# KiCad board SmartCubePanel.kicad_pcb
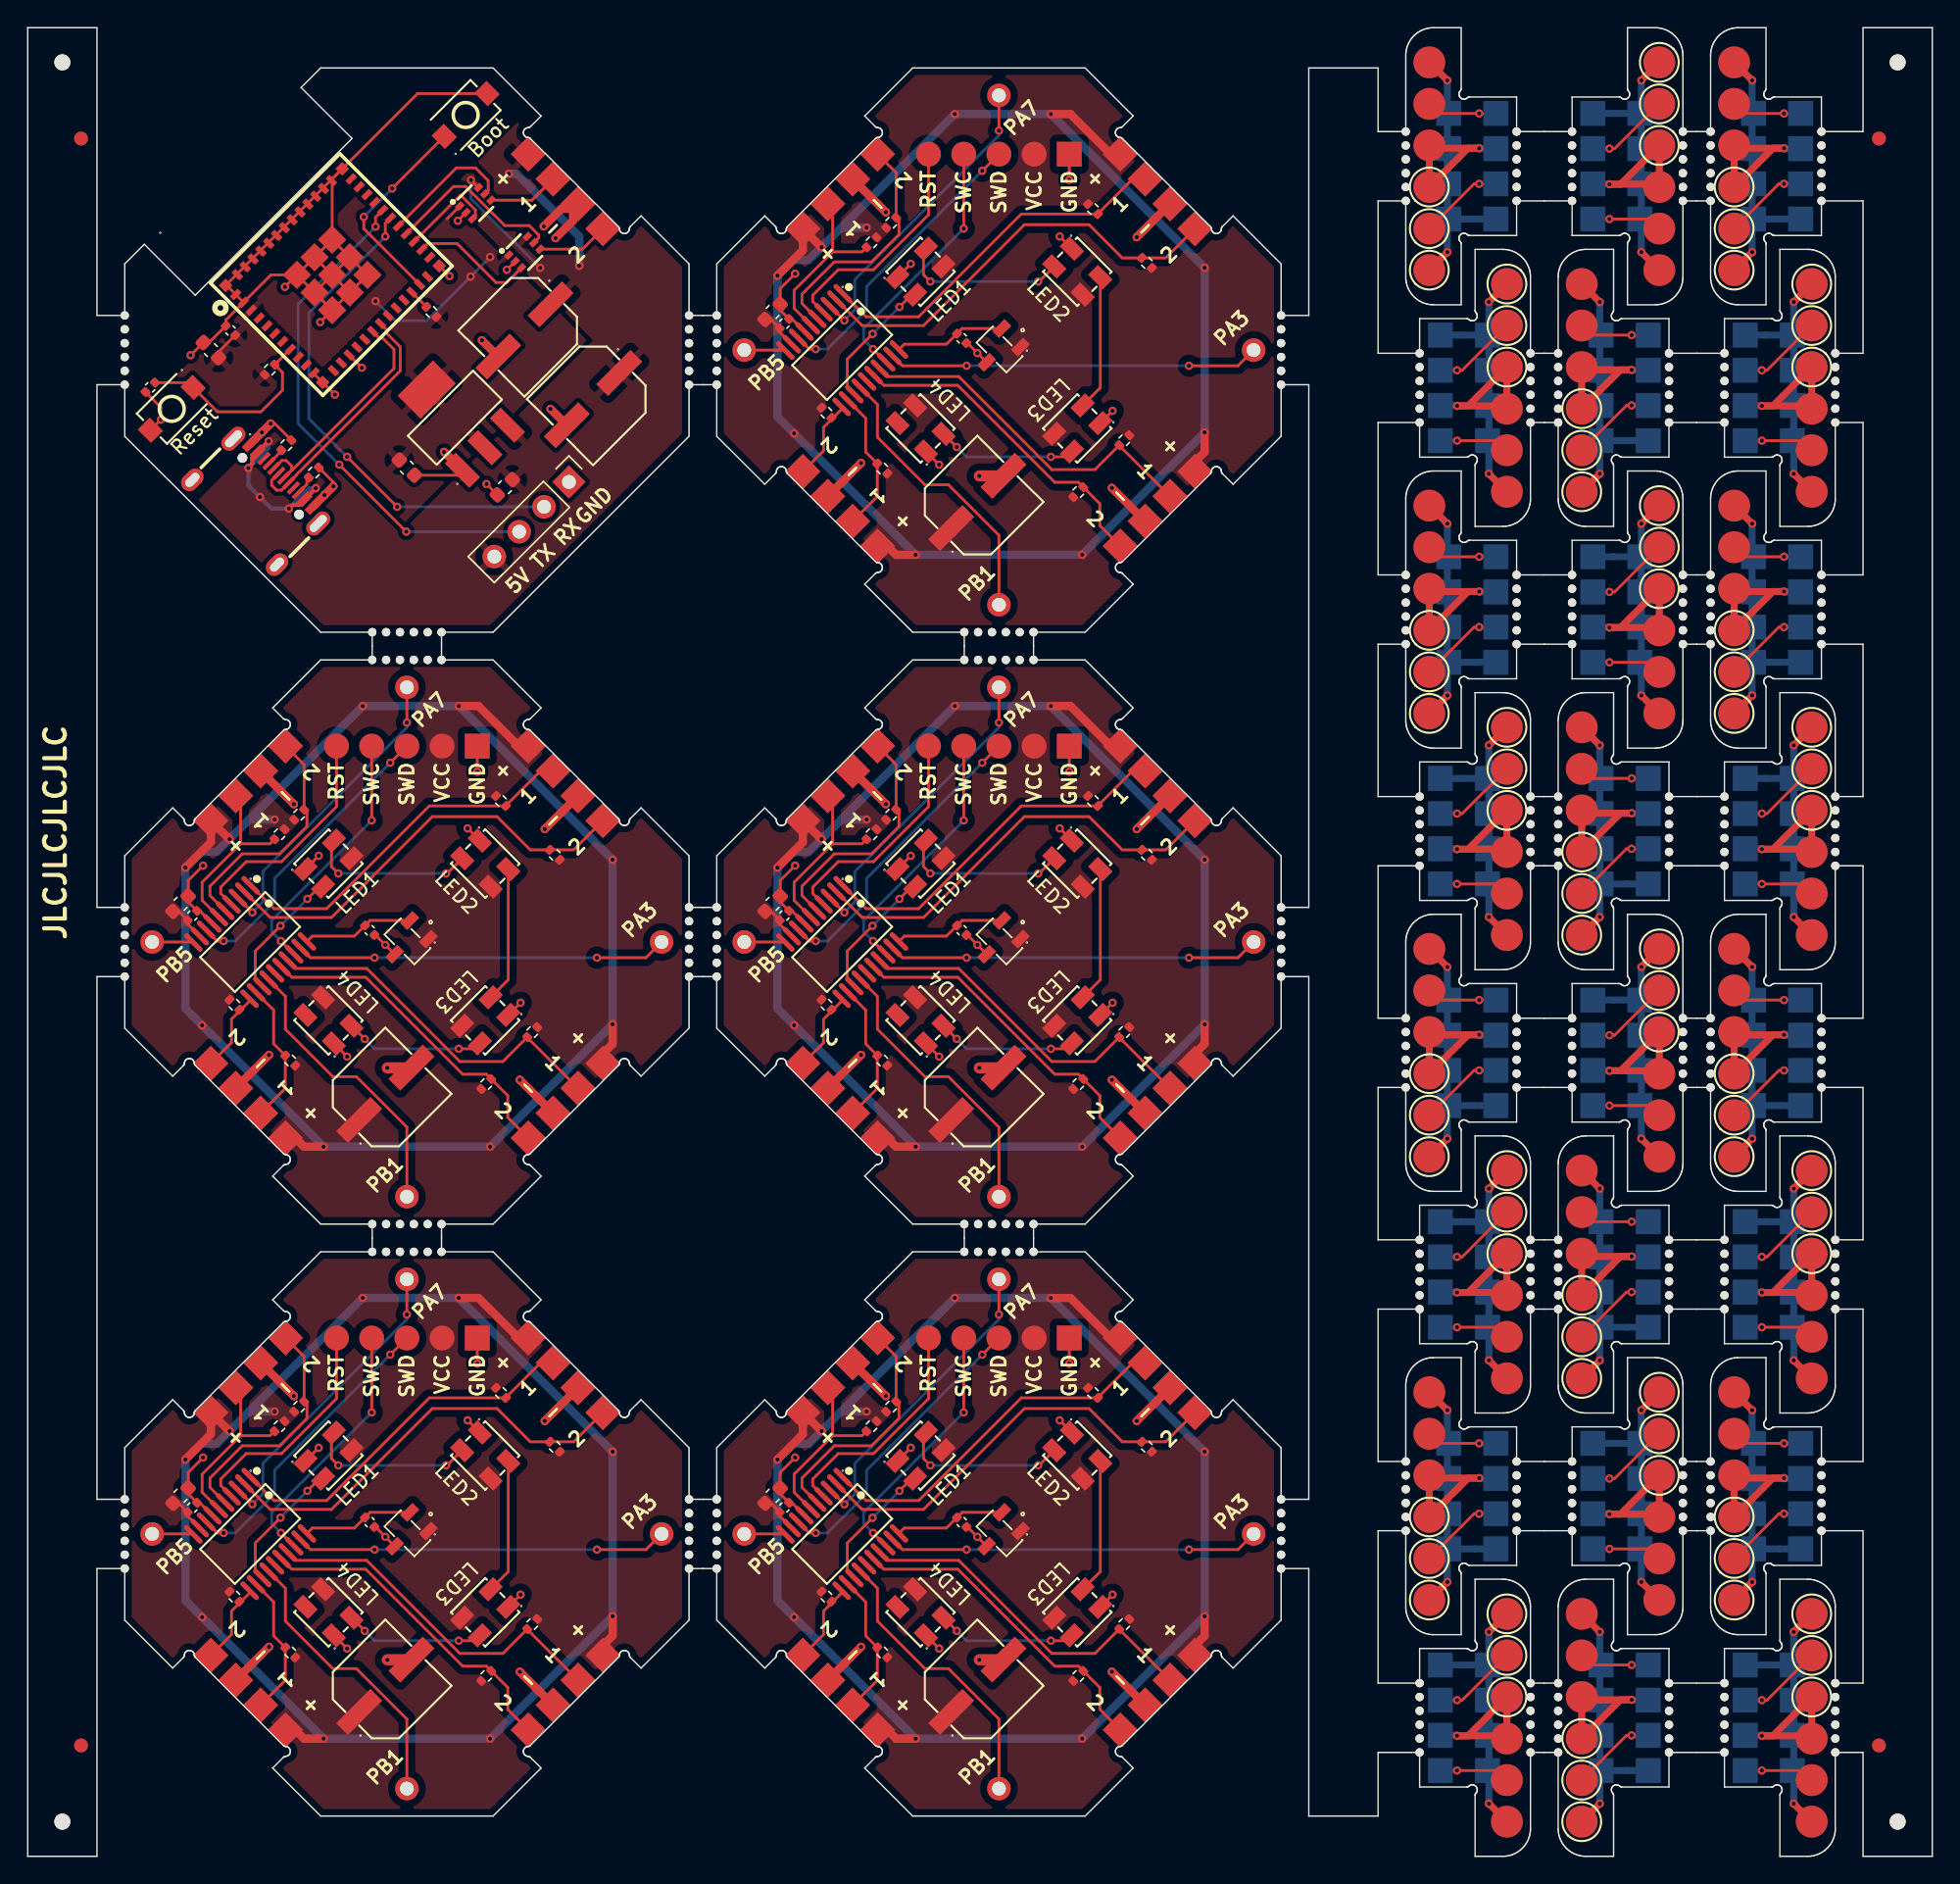
[diagram p0: board, top side]
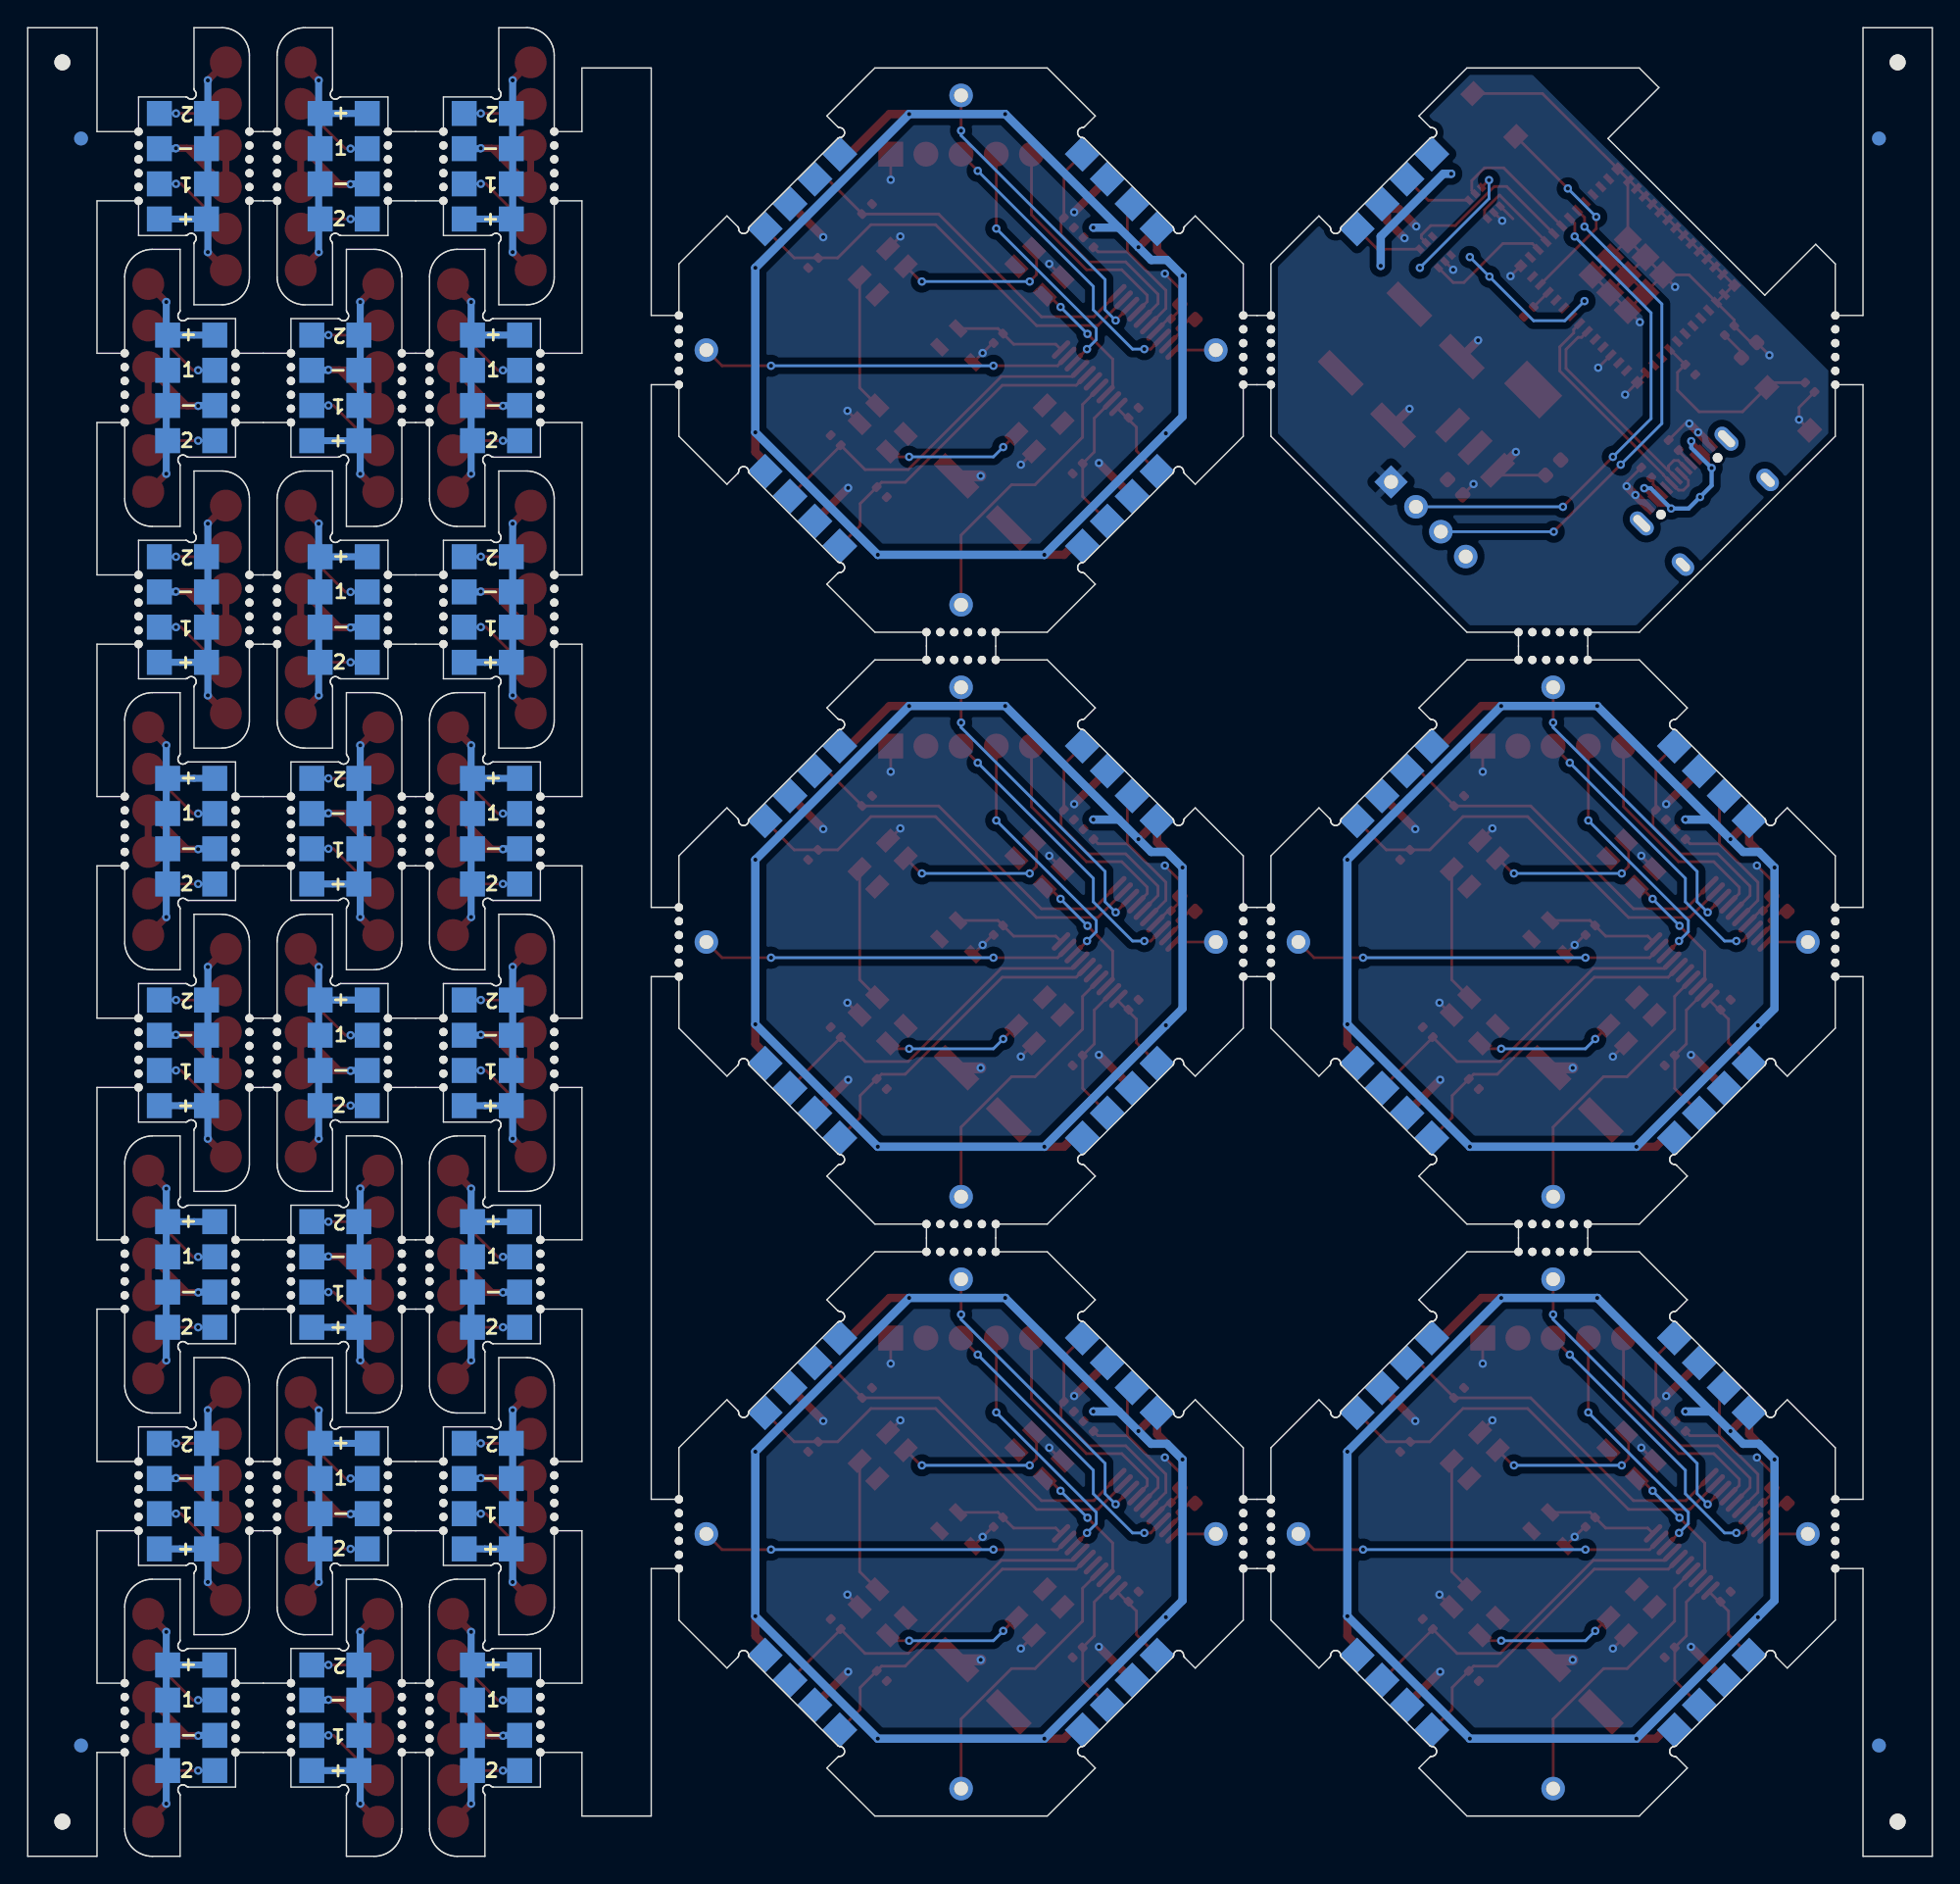
[diagram p1: board, bottom side, seen from below]

Outline 137.46 x 132 mm; copper layers: Top, Bottom. Coordinates in mm from the lower left corner of the outline.
Stack: Top 0.035mm / dielectric 1.51mm FR4 er 4.5 / Bottom 0.035mm

## Placement (name value [footprint] x y rotation side)
KiKit_FID_B_1  -  [Fiducial]  3.85 124 0 bottom
KiKit_FID_B_2  -  [Fiducial]  133.61 124 0 bottom
KiKit_FID_B_3  -  [Fiducial]  3.85 8 0 bottom
KiKit_FID_B_4  -  [Fiducial]  133.61 8 0 bottom
KiKit_FID_T_1  -  [Fiducial]  3.85 124 0 top
KiKit_FID_T_2  -  [Fiducial]  133.61 124 0 top
KiKit_FID_T_3  -  [Fiducial]  3.85 8 0 top
KiKit_FID_T_4  -  [Fiducial]  133.61 8 0 top
KiKit_MB_1_1  -  [NPTH]  29.87 88.36 0 top
KiKit_MB_1_2  -  [NPTH]  28.87 88.36 0 top
KiKit_MB_1_3  -  [NPTH]  27.87 88.36 0 top
KiKit_MB_1_4  -  [NPTH]  26.87 88.36 0 top
KiKit_MB_1_5  -  [NPTH]  25.87 88.36 0 top
KiKit_MB_1_6  -  [NPTH]  24.87 88.36 0 top
KiKit_MB_2_1  -  [NPTH]  47.73 111.23 0 top
KiKit_MB_2_2  -  [NPTH]  47.73 110.23 0 top
KiKit_MB_2_3  -  [NPTH]  47.73 109.23 0 top
KiKit_MB_2_4  -  [NPTH]  47.73 108.23 0 top
KiKit_MB_2_5  -  [NPTH]  47.73 107.23 0 top
KiKit_MB_2_6  -  [NPTH]  47.73 106.23 0 top
KiKit_MB_3_1  -  [NPTH]  7 106.23 0 top
KiKit_MB_3_2  -  [NPTH]  7 107.23 0 top
KiKit_MB_3_3  -  [NPTH]  7 108.23 0 top
KiKit_MB_3_4  -  [NPTH]  7 109.23 0 top
KiKit_MB_3_5  -  [NPTH]  7 110.23 0 top
KiKit_MB_3_6  -  [NPTH]  7 111.23 0 top
KiKit_MB_4_1  -  [NPTH]  24.87 86.36 0 top
KiKit_MB_4_2  -  [NPTH]  25.87 86.36 0 top
KiKit_MB_4_3  -  [NPTH]  26.87 86.36 0 top
KiKit_MB_4_4  -  [NPTH]  27.87 86.36 0 top
KiKit_MB_4_5  -  [NPTH]  28.87 86.36 0 top
KiKit_MB_4_6  -  [NPTH]  29.87 86.36 0 top
KiKit_MB_5_1  -  [NPTH]  47.73 68.5 0 top
KiKit_MB_5_2  -  [NPTH]  47.73 67.5 0 top
KiKit_MB_5_3  -  [NPTH]  47.73 66.5 0 top
KiKit_MB_5_4  -  [NPTH]  47.73 65.5 0 top
KiKit_MB_5_5  -  [NPTH]  47.73 64.5 0 top
KiKit_MB_5_6  -  [NPTH]  47.73 63.5 0 top
KiKit_MB_6_1  -  [NPTH]  29.87 45.64 0 top
KiKit_MB_6_2  -  [NPTH]  28.87 45.64 0 top
KiKit_MB_6_3  -  [NPTH]  27.87 45.64 0 top
KiKit_MB_6_4  -  [NPTH]  26.87 45.64 0 top
KiKit_MB_6_5  -  [NPTH]  25.87 45.64 0 top
KiKit_MB_6_6  -  [NPTH]  24.87 45.64 0 top
KiKit_MB_7_1  -  [NPTH]  7 63.5 0 top
KiKit_MB_7_2  -  [NPTH]  7 64.5 0 top
KiKit_MB_7_3  -  [NPTH]  7 65.5 0 top
KiKit_MB_7_4  -  [NPTH]  7 66.5 0 top
KiKit_MB_7_5  -  [NPTH]  7 67.5 0 top
KiKit_MB_7_6  -  [NPTH]  7 68.5 0 top
KiKit_MB_8_1  -  [NPTH]  24.87 43.64 0 top
KiKit_MB_8_2  -  [NPTH]  25.87 43.64 0 top
KiKit_MB_8_3  -  [NPTH]  26.87 43.64 0 top
KiKit_MB_8_4  -  [NPTH]  27.87 43.64 0 top
KiKit_MB_8_5  -  [NPTH]  28.87 43.64 0 top
KiKit_MB_8_6  -  [NPTH]  29.87 43.64 0 top
KiKit_MB_9_1  -  [NPTH]  47.73 25.77 0 top
KiKit_MB_9_2  -  [NPTH]  47.73 24.77 0 top
KiKit_MB_9_3  -  [NPTH]  47.73 23.77 0 top
KiKit_MB_9_4  -  [NPTH]  47.73 22.77 0 top
KiKit_MB_9_5  -  [NPTH]  47.73 21.77 0 top
KiKit_MB_9_6  -  [NPTH]  47.73 20.77 0 top
KiKit_MB_10_1  -  [NPTH]  7 20.77 0 top
KiKit_MB_10_2  -  [NPTH]  7 21.77 0 top
KiKit_MB_10_3  -  [NPTH]  7 22.77 0 top
KiKit_MB_10_4  -  [NPTH]  7 23.77 0 top
KiKit_MB_10_5  -  [NPTH]  7 24.77 0 top
KiKit_MB_10_6  -  [NPTH]  7 25.77 0 top
KiKit_MB_11_1  -  [NPTH]  90.46 111.23 0 top
KiKit_MB_11_2  -  [NPTH]  90.46 110.23 0 top
KiKit_MB_11_3  -  [NPTH]  90.46 109.23 0 top
KiKit_MB_11_4  -  [NPTH]  90.46 108.23 0 top
KiKit_MB_11_5  -  [NPTH]  90.46 107.23 0 top
KiKit_MB_11_6  -  [NPTH]  90.46 106.23 0 top
KiKit_MB_12_1  -  [NPTH]  72.59 88.36 0 top
KiKit_MB_12_2  -  [NPTH]  71.59 88.36 0 top
KiKit_MB_12_3  -  [NPTH]  70.59 88.36 0 top
KiKit_MB_12_4  -  [NPTH]  69.59 88.36 0 top
KiKit_MB_12_5  -  [NPTH]  68.59 88.36 0 top
KiKit_MB_12_6  -  [NPTH]  67.59 88.36 0 top
KiKit_MB_13_1  -  [NPTH]  49.73 106.23 0 top
KiKit_MB_13_2  -  [NPTH]  49.73 107.23 0 top
KiKit_MB_13_3  -  [NPTH]  49.73 108.23 0 top
KiKit_MB_13_4  -  [NPTH]  49.73 109.23 0 top
KiKit_MB_13_5  -  [NPTH]  49.73 110.23 0 top
KiKit_MB_13_6  -  [NPTH]  49.73 111.23 0 top
KiKit_MB_14_1  -  [NPTH]  67.59 86.36 0 top
KiKit_MB_14_2  -  [NPTH]  68.59 86.36 0 top
KiKit_MB_14_3  -  [NPTH]  69.59 86.36 0 top
KiKit_MB_14_4  -  [NPTH]  70.59 86.36 0 top
KiKit_MB_14_5  -  [NPTH]  71.59 86.36 0 top
KiKit_MB_14_6  -  [NPTH]  72.59 86.36 0 top
KiKit_MB_15_1  -  [NPTH]  90.46 68.5 0 top
KiKit_MB_15_2  -  [NPTH]  90.46 67.5 0 top
KiKit_MB_15_3  -  [NPTH]  90.46 66.5 0 top
KiKit_MB_15_4  -  [NPTH]  90.46 65.5 0 top
KiKit_MB_15_5  -  [NPTH]  90.46 64.5 0 top
KiKit_MB_15_6  -  [NPTH]  90.46 63.5 0 top
KiKit_MB_16_1  -  [NPTH]  72.59 45.64 0 top
KiKit_MB_16_2  -  [NPTH]  71.59 45.64 0 top
KiKit_MB_16_3  -  [NPTH]  70.59 45.64 0 top
KiKit_MB_16_4  -  [NPTH]  69.59 45.64 0 top
KiKit_MB_16_5  -  [NPTH]  68.59 45.64 0 top
KiKit_MB_16_6  -  [NPTH]  67.59 45.64 0 top
KiKit_MB_17_1  -  [NPTH]  49.73 63.5 0 top
KiKit_MB_17_2  -  [NPTH]  49.73 64.5 0 top
KiKit_MB_17_3  -  [NPTH]  49.73 65.5 0 top
KiKit_MB_17_4  -  [NPTH]  49.73 66.5 0 top
KiKit_MB_17_5  -  [NPTH]  49.73 67.5 0 top
KiKit_MB_17_6  -  [NPTH]  49.73 68.5 0 top
KiKit_MB_18_1  -  [NPTH]  67.59 43.64 0 top
KiKit_MB_18_2  -  [NPTH]  68.59 43.64 0 top
KiKit_MB_18_3  -  [NPTH]  69.59 43.64 0 top
KiKit_MB_18_4  -  [NPTH]  70.59 43.64 0 top
KiKit_MB_18_5  -  [NPTH]  71.59 43.64 0 top
KiKit_MB_18_6  -  [NPTH]  72.59 43.64 0 top
KiKit_MB_19_1  -  [NPTH]  90.46 25.77 0 top
KiKit_MB_19_2  -  [NPTH]  90.46 24.77 0 top
KiKit_MB_19_3  -  [NPTH]  90.46 23.77 0 top
KiKit_MB_19_4  -  [NPTH]  90.46 22.77 0 top
KiKit_MB_19_5  -  [NPTH]  90.46 21.77 0 top
KiKit_MB_19_6  -  [NPTH]  90.46 20.77 0 top
KiKit_MB_20_1  -  [NPTH]  49.73 20.77 0 top
KiKit_MB_20_2  -  [NPTH]  49.73 21.77 0 top
KiKit_MB_20_3  -  [NPTH]  49.73 22.77 0 top
KiKit_MB_20_4  -  [NPTH]  49.73 23.77 0 top
KiKit_MB_20_5  -  [NPTH]  49.73 24.77 0 top
KiKit_MB_20_6  -  [NPTH]  49.73 25.77 0 top
KiKit_MB_21_1  -  [NPTH]  107.46 124.5 0 top
KiKit_MB_21_2  -  [NPTH]  107.46 123.5 0 top
KiKit_MB_21_3  -  [NPTH]  107.46 122.5 0 top
KiKit_MB_21_4  -  [NPTH]  107.46 121.5 0 top
KiKit_MB_21_5  -  [NPTH]  107.46 120.5 0 top
KiKit_MB_21_6  -  [NPTH]  107.46 119.5 0 top
KiKit_MB_22_1  -  [NPTH]  99.46 119.5 0 top
KiKit_MB_22_2  -  [NPTH]  99.46 120.5 0 top
KiKit_MB_22_3  -  [NPTH]  99.46 121.5 0 top
KiKit_MB_22_4  -  [NPTH]  99.46 122.5 0 top
KiKit_MB_22_5  -  [NPTH]  99.46 123.5 0 top
KiKit_MB_22_6  -  [NPTH]  99.46 124.5 0 top
KiKit_MB_23_1  -  [NPTH]  100.46 103.5 0 top
KiKit_MB_23_2  -  [NPTH]  100.46 104.5 0 top
KiKit_MB_23_3  -  [NPTH]  100.46 105.5 0 top
KiKit_MB_23_4  -  [NPTH]  100.46 106.5 0 top
KiKit_MB_23_5  -  [NPTH]  100.46 107.5 0 top
KiKit_MB_23_6  -  [NPTH]  100.46 108.5 0 top
KiKit_MB_24_1  -  [NPTH]  108.46 108.5 0 top
KiKit_MB_24_2  -  [NPTH]  108.46 107.5 0 top
KiKit_MB_24_3  -  [NPTH]  108.46 106.5 0 top
KiKit_MB_24_4  -  [NPTH]  108.46 105.5 0 top
KiKit_MB_24_5  -  [NPTH]  108.46 104.5 0 top
KiKit_MB_24_6  -  [NPTH]  108.46 103.5 0 top
KiKit_MB_25_1  -  [NPTH]  107.46 92.5 0 top
KiKit_MB_25_2  -  [NPTH]  107.46 91.5 0 top
KiKit_MB_25_3  -  [NPTH]  107.46 90.5 0 top
KiKit_MB_25_4  -  [NPTH]  107.46 89.5 0 top
KiKit_MB_25_5  -  [NPTH]  107.46 88.5 0 top
KiKit_MB_25_6  -  [NPTH]  107.46 87.5 0 top
KiKit_MB_26_1  -  [NPTH]  99.46 87.5 0 top
KiKit_MB_26_2  -  [NPTH]  99.46 88.5 0 top
KiKit_MB_26_3  -  [NPTH]  99.46 89.5 0 top
KiKit_MB_26_4  -  [NPTH]  99.46 90.5 0 top
KiKit_MB_26_5  -  [NPTH]  99.46 91.5 0 top
KiKit_MB_26_6  -  [NPTH]  99.46 92.5 0 top
KiKit_MB_27_1  -  [NPTH]  100.46 71.5 0 top
KiKit_MB_27_2  -  [NPTH]  100.46 72.5 0 top
KiKit_MB_27_3  -  [NPTH]  100.46 73.5 0 top
KiKit_MB_27_4  -  [NPTH]  100.46 74.5 0 top
KiKit_MB_27_5  -  [NPTH]  100.46 75.5 0 top
KiKit_MB_27_6  -  [NPTH]  100.46 76.5 0 top
KiKit_MB_28_1  -  [NPTH]  108.46 76.5 0 top
KiKit_MB_28_2  -  [NPTH]  108.46 75.5 0 top
KiKit_MB_28_3  -  [NPTH]  108.46 74.5 0 top
KiKit_MB_28_4  -  [NPTH]  108.46 73.5 0 top
KiKit_MB_28_5  -  [NPTH]  108.46 72.5 0 top
KiKit_MB_28_6  -  [NPTH]  108.46 71.5 0 top
KiKit_MB_29_1  -  [NPTH]  107.46 60.5 0 top
KiKit_MB_29_2  -  [NPTH]  107.46 59.5 0 top
KiKit_MB_29_3  -  [NPTH]  107.46 58.5 0 top
KiKit_MB_29_4  -  [NPTH]  107.46 57.5 0 top
KiKit_MB_29_5  -  [NPTH]  107.46 56.5 0 top
KiKit_MB_29_6  -  [NPTH]  107.46 55.5 0 top
KiKit_MB_30_1  -  [NPTH]  99.46 55.5 0 top
KiKit_MB_30_2  -  [NPTH]  99.46 56.5 0 top
KiKit_MB_30_3  -  [NPTH]  99.46 57.5 0 top
KiKit_MB_30_4  -  [NPTH]  99.46 58.5 0 top
KiKit_MB_30_5  -  [NPTH]  99.46 59.5 0 top
KiKit_MB_30_6  -  [NPTH]  99.46 60.5 0 top
KiKit_MB_31_1  -  [NPTH]  100.46 39.5 0 top
KiKit_MB_31_2  -  [NPTH]  100.46 40.5 0 top
KiKit_MB_31_3  -  [NPTH]  100.46 41.5 0 top
KiKit_MB_31_4  -  [NPTH]  100.46 42.5 0 top
KiKit_MB_31_5  -  [NPTH]  100.46 43.5 0 top
KiKit_MB_31_6  -  [NPTH]  100.46 44.5 0 top
KiKit_MB_32_1  -  [NPTH]  108.46 44.5 0 top
KiKit_MB_32_2  -  [NPTH]  108.46 43.5 0 top
KiKit_MB_32_3  -  [NPTH]  108.46 42.5 0 top
KiKit_MB_32_4  -  [NPTH]  108.46 41.5 0 top
KiKit_MB_32_5  -  [NPTH]  108.46 40.5 0 top
KiKit_MB_32_6  -  [NPTH]  108.46 39.5 0 top
KiKit_MB_33_1  -  [NPTH]  107.46 28.5 0 top
KiKit_MB_33_2  -  [NPTH]  107.46 27.5 0 top
KiKit_MB_33_3  -  [NPTH]  107.46 26.5 0 top
KiKit_MB_33_4  -  [NPTH]  107.46 25.5 0 top
KiKit_MB_33_5  -  [NPTH]  107.46 24.5 0 top
KiKit_MB_33_6  -  [NPTH]  107.46 23.5 0 top
KiKit_MB_34_1  -  [NPTH]  99.46 23.5 0 top
KiKit_MB_34_2  -  [NPTH]  99.46 24.5 0 top
KiKit_MB_34_3  -  [NPTH]  99.46 25.5 0 top
KiKit_MB_34_4  -  [NPTH]  99.46 26.5 0 top
KiKit_MB_34_5  -  [NPTH]  99.46 27.5 0 top
KiKit_MB_34_6  -  [NPTH]  99.46 28.5 0 top
KiKit_MB_35_1  -  [NPTH]  100.46 7.5 0 top
KiKit_MB_35_2  -  [NPTH]  100.46 8.5 0 top
KiKit_MB_35_3  -  [NPTH]  100.46 9.5 0 top
KiKit_MB_35_4  -  [NPTH]  100.46 10.5 0 top
KiKit_MB_35_5  -  [NPTH]  100.46 11.5 0 top
KiKit_MB_35_6  -  [NPTH]  100.46 12.5 0 top
KiKit_MB_36_1  -  [NPTH]  108.46 12.5 0 top
KiKit_MB_36_2  -  [NPTH]  108.46 11.5 0 top
KiKit_MB_36_3  -  [NPTH]  108.46 10.5 0 top
KiKit_MB_36_4  -  [NPTH]  108.46 9.5 0 top
KiKit_MB_36_5  -  [NPTH]  108.46 8.5 0 top
KiKit_MB_36_6  -  [NPTH]  108.46 7.5 0 top
KiKit_MB_37_1  -  [NPTH]  111.46 119.5 0 top
KiKit_MB_37_2  -  [NPTH]  111.46 120.5 0 top
KiKit_MB_37_3  -  [NPTH]  111.46 121.5 0 top
KiKit_MB_37_4  -  [NPTH]  111.46 122.5 0 top
KiKit_MB_37_5  -  [NPTH]  111.46 123.5 0 top
KiKit_MB_37_6  -  [NPTH]  111.46 124.5 0 top
KiKit_MB_38_1  -  [NPTH]  119.46 124.5 0 top
KiKit_MB_38_2  -  [NPTH]  119.46 123.5 0 top
KiKit_MB_38_3  -  [NPTH]  119.46 122.5 0 top
KiKit_MB_38_4  -  [NPTH]  119.46 121.5 0 top
KiKit_MB_38_5  -  [NPTH]  119.46 120.5 0 top
KiKit_MB_38_6  -  [NPTH]  119.46 119.5 0 top
KiKit_MB_39_1  -  [NPTH]  118.46 108.5 0 top
KiKit_MB_39_2  -  [NPTH]  118.46 107.5 0 top
KiKit_MB_39_3  -  [NPTH]  118.46 106.5 0 top
KiKit_MB_39_4  -  [NPTH]  118.46 105.5 0 top
KiKit_MB_39_5  -  [NPTH]  118.46 104.5 0 top
KiKit_MB_39_6  -  [NPTH]  118.46 103.5 0 top
KiKit_MB_40_1  -  [NPTH]  110.46 103.5 0 top
KiKit_MB_40_2  -  [NPTH]  110.46 104.5 0 top
KiKit_MB_40_3  -  [NPTH]  110.46 105.5 0 top
KiKit_MB_40_4  -  [NPTH]  110.46 106.5 0 top
KiKit_MB_40_5  -  [NPTH]  110.46 107.5 0 top
KiKit_MB_40_6  -  [NPTH]  110.46 108.5 0 top
KiKit_MB_41_1  -  [NPTH]  111.46 87.5 0 top
KiKit_MB_41_2  -  [NPTH]  111.46 88.5 0 top
KiKit_MB_41_3  -  [NPTH]  111.46 89.5 0 top
KiKit_MB_41_4  -  [NPTH]  111.46 90.5 0 top
KiKit_MB_41_5  -  [NPTH]  111.46 91.5 0 top
KiKit_MB_41_6  -  [NPTH]  111.46 92.5 0 top
KiKit_MB_42_1  -  [NPTH]  119.46 92.5 0 top
KiKit_MB_42_2  -  [NPTH]  119.46 91.5 0 top
KiKit_MB_42_3  -  [NPTH]  119.46 90.5 0 top
KiKit_MB_42_4  -  [NPTH]  119.46 89.5 0 top
KiKit_MB_42_5  -  [NPTH]  119.46 88.5 0 top
KiKit_MB_42_6  -  [NPTH]  119.46 87.5 0 top
KiKit_MB_43_1  -  [NPTH]  118.46 76.5 0 top
KiKit_MB_43_2  -  [NPTH]  118.46 75.5 0 top
KiKit_MB_43_3  -  [NPTH]  118.46 74.5 0 top
KiKit_MB_43_4  -  [NPTH]  118.46 73.5 0 top
KiKit_MB_43_5  -  [NPTH]  118.46 72.5 0 top
KiKit_MB_43_6  -  [NPTH]  118.46 71.5 0 top
KiKit_MB_44_1  -  [NPTH]  110.46 71.5 0 top
KiKit_MB_44_2  -  [NPTH]  110.46 72.5 0 top
KiKit_MB_44_3  -  [NPTH]  110.46 73.5 0 top
KiKit_MB_44_4  -  [NPTH]  110.46 74.5 0 top
KiKit_MB_44_5  -  [NPTH]  110.46 75.5 0 top
KiKit_MB_44_6  -  [NPTH]  110.46 76.5 0 top
KiKit_MB_45_1  -  [NPTH]  111.46 55.5 0 top
KiKit_MB_45_2  -  [NPTH]  111.46 56.5 0 top
KiKit_MB_45_3  -  [NPTH]  111.46 57.5 0 top
KiKit_MB_45_4  -  [NPTH]  111.46 58.5 0 top
KiKit_MB_45_5  -  [NPTH]  111.46 59.5 0 top
KiKit_MB_45_6  -  [NPTH]  111.46 60.5 0 top
KiKit_MB_46_1  -  [NPTH]  119.46 60.5 0 top
KiKit_MB_46_2  -  [NPTH]  119.46 59.5 0 top
KiKit_MB_46_3  -  [NPTH]  119.46 58.5 0 top
KiKit_MB_46_4  -  [NPTH]  119.46 57.5 0 top
KiKit_MB_46_5  -  [NPTH]  119.46 56.5 0 top
KiKit_MB_46_6  -  [NPTH]  119.46 55.5 0 top
KiKit_MB_47_1  -  [NPTH]  118.46 44.5 0 top
KiKit_MB_47_2  -  [NPTH]  118.46 43.5 0 top
KiKit_MB_47_3  -  [NPTH]  118.46 42.5 0 top
KiKit_MB_47_4  -  [NPTH]  118.46 41.5 0 top
KiKit_MB_47_5  -  [NPTH]  118.46 40.5 0 top
KiKit_MB_47_6  -  [NPTH]  118.46 39.5 0 top
KiKit_MB_48_1  -  [NPTH]  110.46 39.5 0 top
KiKit_MB_48_2  -  [NPTH]  110.46 40.5 0 top
KiKit_MB_48_3  -  [NPTH]  110.46 41.5 0 top
KiKit_MB_48_4  -  [NPTH]  110.46 42.5 0 top
KiKit_MB_48_5  -  [NPTH]  110.46 43.5 0 top
KiKit_MB_48_6  -  [NPTH]  110.46 44.5 0 top
KiKit_MB_49_1  -  [NPTH]  111.46 23.5 0 top
KiKit_MB_49_2  -  [NPTH]  111.46 24.5 0 top
KiKit_MB_49_3  -  [NPTH]  111.46 25.5 0 top
KiKit_MB_49_4  -  [NPTH]  111.46 26.5 0 top
KiKit_MB_49_5  -  [NPTH]  111.46 27.5 0 top
KiKit_MB_49_6  -  [NPTH]  111.46 28.5 0 top
KiKit_MB_50_1  -  [NPTH]  119.46 28.5 0 top
KiKit_MB_50_2  -  [NPTH]  119.46 27.5 0 top
KiKit_MB_50_3  -  [NPTH]  119.46 26.5 0 top
KiKit_MB_50_4  -  [NPTH]  119.46 25.5 0 top
KiKit_MB_50_5  -  [NPTH]  119.46 24.5 0 top
KiKit_MB_50_6  -  [NPTH]  119.46 23.5 0 top
KiKit_MB_51_1  -  [NPTH]  118.46 12.5 0 top
KiKit_MB_51_2  -  [NPTH]  118.46 11.5 0 top
KiKit_MB_51_3  -  [NPTH]  118.46 10.5 0 top
KiKit_MB_51_4  -  [NPTH]  118.46 9.5 0 top
KiKit_MB_51_5  -  [NPTH]  118.46 8.5 0 top
KiKit_MB_51_6  -  [NPTH]  118.46 7.5 0 top
KiKit_MB_52_1  -  [NPTH]  110.46 7.5 0 top
KiKit_MB_52_2  -  [NPTH]  110.46 8.5 0 top
KiKit_MB_52_3  -  [NPTH]  110.46 9.5 0 top
KiKit_MB_52_4  -  [NPTH]  110.46 10.5 0 top
KiKit_MB_52_5  -  [NPTH]  110.46 11.5 0 top
KiKit_MB_52_6  -  [NPTH]  110.46 12.5 0 top
KiKit_MB_53_1  -  [NPTH]  129.46 124.5 0 top
KiKit_MB_53_2  -  [NPTH]  129.46 123.5 0 top
KiKit_MB_53_3  -  [NPTH]  129.46 122.5 0 top
KiKit_MB_53_4  -  [NPTH]  129.46 121.5 0 top
KiKit_MB_53_5  -  [NPTH]  129.46 120.5 0 top
KiKit_MB_53_6  -  [NPTH]  129.46 119.5 0 top
KiKit_MB_54_1  -  [NPTH]  121.46 119.5 0 top
KiKit_MB_54_2  -  [NPTH]  121.46 120.5 0 top
KiKit_MB_54_3  -  [NPTH]  121.46 121.5 0 top
KiKit_MB_54_4  -  [NPTH]  121.46 122.5 0 top
KiKit_MB_54_5  -  [NPTH]  121.46 123.5 0 top
KiKit_MB_54_6  -  [NPTH]  121.46 124.5 0 top
KiKit_MB_55_1  -  [NPTH]  122.46 103.5 0 top
KiKit_MB_55_2  -  [NPTH]  122.46 104.5 0 top
KiKit_MB_55_3  -  [NPTH]  122.46 105.5 0 top
KiKit_MB_55_4  -  [NPTH]  122.46 106.5 0 top
KiKit_MB_55_5  -  [NPTH]  122.46 107.5 0 top
KiKit_MB_55_6  -  [NPTH]  122.46 108.5 0 top
KiKit_MB_56_1  -  [NPTH]  130.46 108.5 0 top
KiKit_MB_56_2  -  [NPTH]  130.46 107.5 0 top
KiKit_MB_56_3  -  [NPTH]  130.46 106.5 0 top
KiKit_MB_56_4  -  [NPTH]  130.46 105.5 0 top
KiKit_MB_56_5  -  [NPTH]  130.46 104.5 0 top
KiKit_MB_56_6  -  [NPTH]  130.46 103.5 0 top
KiKit_MB_57_1  -  [NPTH]  129.46 92.5 0 top
KiKit_MB_57_2  -  [NPTH]  129.46 91.5 0 top
KiKit_MB_57_3  -  [NPTH]  129.46 90.5 0 top
KiKit_MB_57_4  -  [NPTH]  129.46 89.5 0 top
KiKit_MB_57_5  -  [NPTH]  129.46 88.5 0 top
KiKit_MB_57_6  -  [NPTH]  129.46 87.5 0 top
KiKit_MB_58_1  -  [NPTH]  121.46 87.5 0 top
KiKit_MB_58_2  -  [NPTH]  121.46 88.5 0 top
KiKit_MB_58_3  -  [NPTH]  121.46 89.5 0 top
KiKit_MB_58_4  -  [NPTH]  121.46 90.5 0 top
KiKit_MB_58_5  -  [NPTH]  121.46 91.5 0 top
KiKit_MB_58_6  -  [NPTH]  121.46 92.5 0 top
KiKit_MB_59_1  -  [NPTH]  122.46 71.5 0 top
KiKit_MB_59_2  -  [NPTH]  122.46 72.5 0 top
KiKit_MB_59_3  -  [NPTH]  122.46 73.5 0 top
KiKit_MB_59_4  -  [NPTH]  122.46 74.5 0 top
KiKit_MB_59_5  -  [NPTH]  122.46 75.5 0 top
KiKit_MB_59_6  -  [NPTH]  122.46 76.5 0 top
KiKit_MB_60_1  -  [NPTH]  130.46 76.5 0 top
KiKit_MB_60_2  -  [NPTH]  130.46 75.5 0 top
KiKit_MB_60_3  -  [NPTH]  130.46 74.5 0 top
KiKit_MB_60_4  -  [NPTH]  130.46 73.5 0 top
KiKit_MB_60_5  -  [NPTH]  130.46 72.5 0 top
KiKit_MB_60_6  -  [NPTH]  130.46 71.5 0 top
KiKit_MB_61_1  -  [NPTH]  129.46 60.5 0 top
KiKit_MB_61_2  -  [NPTH]  129.46 59.5 0 top
KiKit_MB_61_3  -  [NPTH]  129.46 58.5 0 top
KiKit_MB_61_4  -  [NPTH]  129.46 57.5 0 top
KiKit_MB_61_5  -  [NPTH]  129.46 56.5 0 top
KiKit_MB_61_6  -  [NPTH]  129.46 55.5 0 top
KiKit_MB_62_1  -  [NPTH]  121.46 55.5 0 top
KiKit_MB_62_2  -  [NPTH]  121.46 56.5 0 top
KiKit_MB_62_3  -  [NPTH]  121.46 57.5 0 top
KiKit_MB_62_4  -  [NPTH]  121.46 58.5 0 top
KiKit_MB_62_5  -  [NPTH]  121.46 59.5 0 top
KiKit_MB_62_6  -  [NPTH]  121.46 60.5 0 top
KiKit_MB_63_1  -  [NPTH]  122.46 39.5 0 top
KiKit_MB_63_2  -  [NPTH]  122.46 40.5 0 top
KiKit_MB_63_3  -  [NPTH]  122.46 41.5 0 top
KiKit_MB_63_4  -  [NPTH]  122.46 42.5 0 top
KiKit_MB_63_5  -  [NPTH]  122.46 43.5 0 top
KiKit_MB_63_6  -  [NPTH]  122.46 44.5 0 top
KiKit_MB_64_1  -  [NPTH]  130.46 44.5 0 top
KiKit_MB_64_2  -  [NPTH]  130.46 43.5 0 top
KiKit_MB_64_3  -  [NPTH]  130.46 42.5 0 top
KiKit_MB_64_4  -  [NPTH]  130.46 41.5 0 top
KiKit_MB_64_5  -  [NPTH]  130.46 40.5 0 top
KiKit_MB_64_6  -  [NPTH]  130.46 39.5 0 top
KiKit_MB_65_1  -  [NPTH]  129.46 28.5 0 top
KiKit_MB_65_2  -  [NPTH]  129.46 27.5 0 top
KiKit_MB_65_3  -  [NPTH]  129.46 26.5 0 top
KiKit_MB_65_4  -  [NPTH]  129.46 25.5 0 top
KiKit_MB_65_5  -  [NPTH]  129.46 24.5 0 top
KiKit_MB_65_6  -  [NPTH]  129.46 23.5 0 top
KiKit_MB_66_1  -  [NPTH]  121.46 23.5 0 top
KiKit_MB_66_2  -  [NPTH]  121.46 24.5 0 top
KiKit_MB_66_3  -  [NPTH]  121.46 25.5 0 top
KiKit_MB_66_4  -  [NPTH]  121.46 26.5 0 top
KiKit_MB_66_5  -  [NPTH]  121.46 27.5 0 top
KiKit_MB_66_6  -  [NPTH]  121.46 28.5 0 top
KiKit_MB_67_1  -  [NPTH]  122.46 7.5 0 top
KiKit_MB_67_2  -  [NPTH]  122.46 8.5 0 top
KiKit_MB_67_3  -  [NPTH]  122.46 9.5 0 top
KiKit_MB_67_4  -  [NPTH]  122.46 10.5 0 top
KiKit_MB_67_5  -  [NPTH]  122.46 11.5 0 top
KiKit_MB_67_6  -  [NPTH]  122.46 12.5 0 top
KiKit_MB_68_1  -  [NPTH]  130.46 12.5 0 top